# Altium PCB GameBoard_V1I1.PcbDoc (part 20 of 22) (continued)
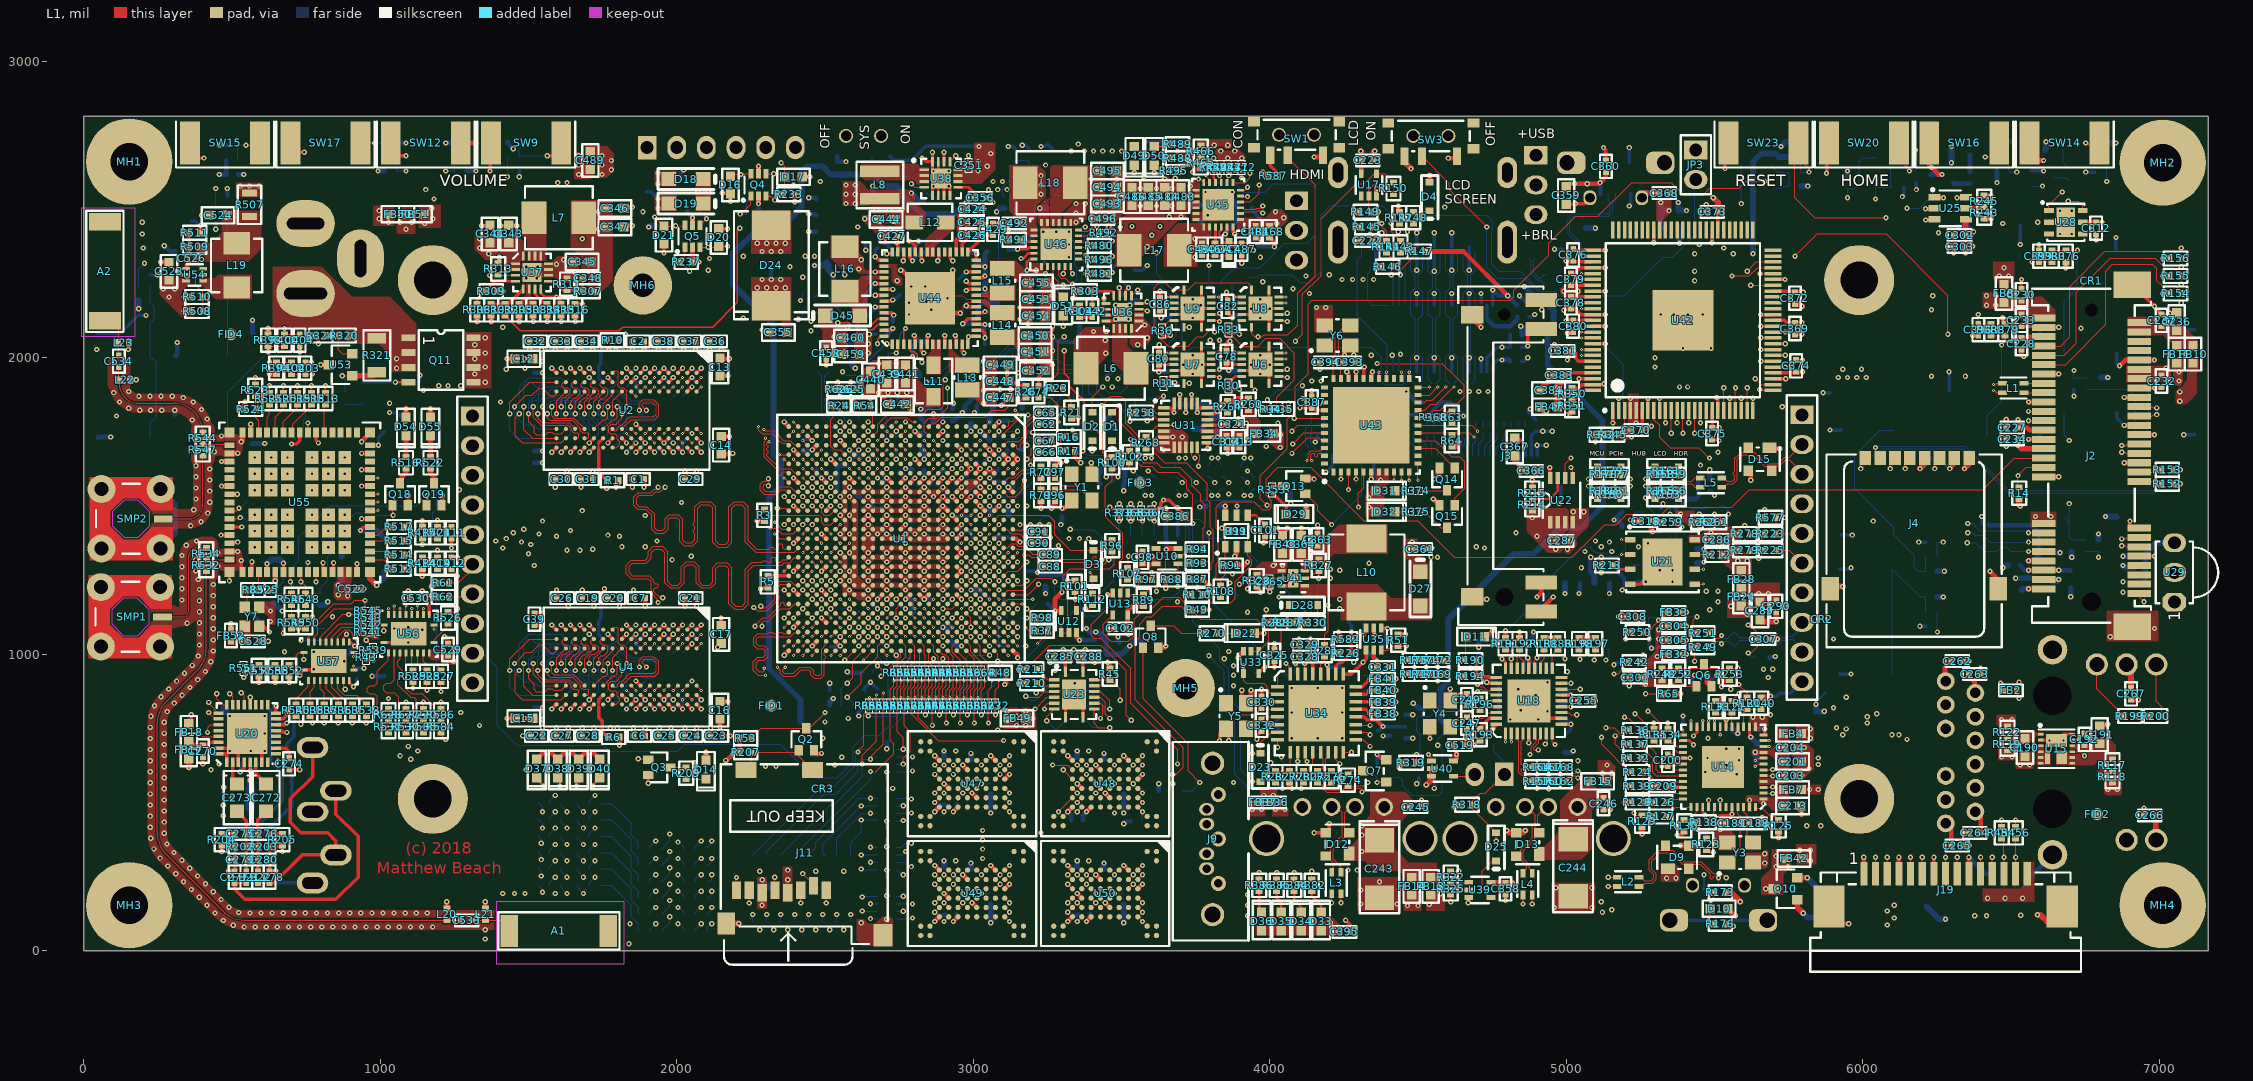
[diagram p0: L1 view]
## Nets (pads, with @x,y where several pads share a name; then routed paths per layer and width w, separated by ;. In a path a pad name is that pad's centre, name@x,y a point inside that pad or via, vN(x,y) a via of type N, cw(c..) or ccw(c..) an arc to the next point about the centre after c; other vN are vias at no path point) (continued)
  L12 w3.15: v1(5948.82,2539.37) R418.1@5948.82,2566.93 5952,2570.11 5971.69,2570.11 5988.19,2586.61 5988.19,2661.42 6000.76,2673.98 D43.2@6043.31,2673.98
USER_BTN_1_R: R416.1 R417.1 R420.2 SW20.2 | length 191.4
  L1 w3.15: SW20.2@6114.17,2681.1 6157.48,2637.8 v1(6157.48,2629.92)
  L12 w3.15: R420.2@6094.49,2677.17 R416.1@6137.8,2677.17 6137.8,2649.61 v1(6157.48,2629.92) R417.1@6181.1,2629.92
USER_BTN_2: C400.1 R397.1 U1.F13 | length 5089.5
  L1 w3.15: v3(2960.63,1374.02) U1.F13@2976.38,1389.76
  L3 w3.15: v1(1429.13,2610.24) 1455.71,2583.66 1507.87,2583.66 1532.48,2559.06 1795.28,2559.06 1812.24,2576.02 1896.89,2576.02 1923.95,2603.09 1952.5,2603.09 1959.65,2610.24 2190.89,2610.24 2214.51,2586.61 2358.27,2586.61 2376.97,2567.91 2401.17,2567.91 2415.93,2582.68 2472.44,2582.68 v1(2484.25,2594.49) ; v4(2972.44,1385.83) 2972.44,1372.82 2986.99,1358.27 3091.75,1358.27 3101.38,1348.64 3101.38,1348.31 3115.04,1334.65 3279.53,1334.65 3290.35,1323.82 3323.82,1323.82 v1(3389.76,1389.76)
  L10 w3.15: v1(2484.25,2594.49) 2484.25,2443.69 2362.2,2321.64 2362.2,2287.4 2437.01,2212.6 2437.01,2181.1 2425.2,2169.29 2425.2,2097.23 2447.62,2074.8 2511.81,2074.8 2523.62,2086.61 2551.18,2086.61 2566.93,2070.87 2590.55,2070.87 2628.39,2108.7 2693.71,2108.7 2742.37,2060.04 2861.22,2060.04 2889.76,2031.5 2986.22,2031.5 3011.35,2006.37 3044.81,2006.37 3065.71,1985.47 3157.25,1985.47 3182.09,1960.63 3307.5,1960.63 3335.06,1988.19 3578.74,1988.19 3606.3,1960.63 3606.3,1945.66 3690.74,1861.22 3742.34,1861.22 3755.13,1874.02 3842.52,1874.02 3874.02,1842.52 3955.5,1842.52 3987.59,1874.61 3999.4,1874.61 4007.87,1866.14 4007.87,1822.83 3984.25,1799.21 3984.25,1725.6 4003.94,1705.92 4003.94,1562.32 3921.94,1480.31 3782.48,1480.31 3758.86,1456.69 3732.28,1456.69 3707.71,1432.12 3432.12,1432.12 v1(3389.76,1389.76)
  L2 w3.15: v3(2960.63,1374.02) v4(2972.44,1385.83)
  L12 w3.15: v1(1429.13,2610.24) C400.1@1429.13,2629.92 R397.1@1429.13,2677.17
USER_BTN_2_R: R396.1 R397.2 SW9.2 | length 194.5
  L1 w11.81: v1(1562.99,2681.1) SW9.2@1610.24,2681.1
  L12 w3.15: R396.1@1468.5,2728.35 R397.2@1468.5,2677.17 1472.44,2681.1 v1(1562.99,2681.1)
USER_BTN_3: C401.1 R401.1 U1.N21 | length 4032.8
  L1 w3.15: U1.N21@2755.91,1137.8 v2(2771.65,1122.05)
  L3 w3.15: v1(1271.65,803.15) 1240.16,834.65 1240.16,921.26 1232.28,929.13 1232.28,992.13 1245.08,1004.92 1245.08,1178.15 1255.91,1188.98 1255.91,1229.47 1275.59,1249.15 1275.59,1270.53 1225.39,1320.73 1225.39,1386.19 1231.3,1392.1 1231.3,1573.88 1220.47,1584.7 1220.47,1858.83 1267.16,1905.51 v1(1271.65,1905.51)
  L10 w3.15: v1(1220.47,2629.92) 1220.61,2629.78 1220.61,2539.23 1382.87,2376.97 1382.87,2170.28 1347.81,2135.21 1347.81,2104.23 1271.65,2028.08 v1(1271.65,1905.51) ; v1(1271.65,803.15) 1295.28,779.53 1338.58,779.53 1354.33,763.78 1354.33,743.1 1471.44,625.98 1546.72,625.98 1553.62,632.87 1572.37,632.87 1579.26,625.98 1617.59,625.98 1624.48,632.87 1643.24,632.87 1650.13,625.98 1688.46,625.98 1695.35,632.87 1714.1,632.87 1724.93,622.05 2023.62,622.05 2051.18,649.61 2066.93,649.61 2102.36,614.17 2270.3,614.17 2309.26,653.13 2369.15,653.13 2478.35,762.33 2478.35,771.65 2494.09,787.4 2505.13,787.4 2560.04,842.31 2560.04,860.45 2568.69,869.09 2581.69,869.09 2645.26,932.66 2645.26,968.09 2685.04,1007.87 2712.6,1007.87 2748.03,1043.31 2748.03,1087.81 2771.65,1111.43 v2(2771.65,1122.05)
  L12 w3.15: v1(1220.47,2629.92) C401.1@1251.97,2629.92 R401.1@1251.97,2673.23
USER_BTN_3_R: R399.1 R401.2 SW12.2 | length 177.2
  L1 w15.75: SW12.2@1271.65,2681.1 SW12.2@1271.65,2724.41 v1(1322.83,2724.41)
  L12 w15.75: R401.2@1291.34,2673.23 R399.1@1291.34,2724.41 v1(1322.83,2724.41)
USER_LED: Q17.1 U1.D19 | length 4661.4
  L1 w3.15: U1.D19@3039.37,1200.79 v3(3055.12,1185.04)
  L3 w3.15: v4(3066.93,1196.85) 3070.87,1200.79 3104.33,1200.79 3124.02,1220.47 3225.6,1220.47 3229.54,1224.41 3537.4,1224.41 3563.98,1197.83 3645.88,1197.83 3666.36,1218.32 3666.36,1236.88 3681.45,1251.97 3796.47,1251.97 3867.34,1181.1 3938.53,1181.1 3954.28,1165.35 4000,1165.35 4011.81,1153.54 4042.63,1153.54 4053.46,1164.37 4176.96,1164.37 4190.74,1150.59 4202.97,1150.59 4221.67,1169.29 4270.13,1169.29 4281.94,1181.1 4637.8,1181.1 4673.23,1145.67 5095.16,1145.67 5126.38,1176.89 5511.54,1176.89 v1(5511.81,1177.17)
  L10 w3.15: v1(5511.81,1177.17) 5625.98,1177.17 5651.57,1151.57 5923.23,1151.57 6007.87,1236.22 6007.87,1515.75 6175.61,1683.49 6175.61,1970.89 6200.79,1996.06 6200.79,2421.26 6149.61,2472.44 v1(6149.61,2503.94)
  L2 w3.15: v3(3055.12,1185.04) v4(3066.93,1196.85)
  L12 w3.15: v1(6149.61,2503.94) 6192.91,2503.94 6196.85,2507.87 6196.85,2508.08 6205.5,2516.73 6205.71,2516.73 6230.31,2541.34 Q17.1@6230.31,2564.96
USER_LED_1: R382.2 U1.N19 U34.30 | length 2791.2
  L1 w3.15: v2(2740.16,1185.04) U1.N19@2755.91,1200.79 ; v1(4118.11,968.5) 4118.11,935.04 U34.30@4120.08,933.07 ; R382.2@4141.73,240.16 v1(4141.73,267.72)
  L3 w3.15: v2(2740.16,1185.04) 2740.16,1192.91 2755.91,1208.66 2755.91,1224.41 2763.78,1232.28 2791.34,1232.28 2822.83,1263.78 2909.45,1263.78 2940.94,1295.28 2976.38,1295.28 3316.77,1295.28 3347.99,1264.06 3554.84,1264.06 3574.8,1244.09 3613.9,1244.09 3641.46,1271.65 3802.63,1271.65 3877.43,1196.85 3945.05,1196.85 3960.8,1181.1 4007.87,1181.1 4015.75,1173.23 4039.65,1173.23 4047.24,1180.83 4232.01,1180.83 v1(4236.22,1185.04)
  L10 w3.15: v1@4141.73,263.78 v1(4141.73,267.72) 4141.73,326.77 4110.24,358.27 4110.24,396.44 4035.43,471.25 4035.43,527.56 4023.62,539.37 4023.62,578.74 4059.06,614.17 4059.06,645.67 4118.11,704.72 v1(4118.11,968.5) 4118.11,983.27 4251.97,1117.13 4251.97,1168.9 4236.22,1184.65 v1(4236.22,1185.04)
USER_LED_2: R285.2 R384.2 U1.N20 | length 2948.7
  L1 w3.15: v2(2740.16,1122.05) 2740.16,1153.54 U1.N20@2755.91,1169.29 ; R384.2@4082.68,240.16 v1(4082.68,263.78)
  L3 w3.15: v2(2740.16,1122.05) 2755.91,1137.8 2755.91,1161.42 2762.8,1168.31 2775.8,1168.31 2808.28,1200.79 3031.5,1200.79 3055.12,1177.17 3082.68,1177.17 3090.55,1185.04 3129.92,1185.04 3147.76,1202.87 3213.93,1202.87 3235.7,1181.1 3299.21,1181.1 3311.02,1169.29 3361.69,1169.29 3368.58,1176.18 3387.33,1176.18 3394.22,1169.29 3659.45,1169.29 3682.09,1191.93 3695.09,1191.93 3701,1186.02 3718.71,1186.02 3733.48,1200.79 3818.22,1200.79 3853.66,1165.35 3925.2,1165.35 3955.71,1134.84 4036.42,1134.84 4058.07,1156.5 4173.69,1156.5 4187.47,1142.72 4225.39,1142.72 v1(4236.22,1153.54)
  L10 w3.15: v1(4039.37,653.54) 4023.62,637.8 4023.62,614.17 3996.06,586.61 3996.06,476.38 4011.81,460.63 4027.56,460.63 4082.68,405.51 v1(4082.68,263.78) ; v1@4041.34,651.57 4102.36,712.6 4102.36,988.19 4236.22,1122.05 v1(4236.22,1153.54)
  L12 w3.15: v1(4039.37,653.54) 4039.37,641.73 4086.61,594.49 R285.2@4196.85,594.49
USER_LED_3: R286.2 R385.2 U1.T23 | length 2775.4
  L1 w3.15: U1.T23@2661.42,1074.8 v2(2677.16,1059.06) ; R385.2@4023.62,240.16 v1(4023.62,263.78)
  L3 w3.15: v2(2677.16,1059.06) 2662.54,1073.68 2662.54,1084.3 2662.4,1084.44 2662.4,1096.67 2662.54,1096.8 2662.54,1099.55 2669.29,1106.3 2684.65,1106.3 2724.41,1146.06 2724.41,1196.85 2748.03,1220.47 2748.03,1245.29 2766.52,1263.78 2791.34,1263.78 2822.83,1295.28 2905.51,1295.28 2937.01,1326.77 3263.78,1326.77 3283.46,1307.09 3326.45,1307.09 3354.28,1279.25 3563.27,1279.25 3586.61,1255.91 3610.24,1255.91 3633.86,1279.53 3805.89,1279.53 3880.7,1204.72 3951.56,1204.72 3963.37,1192.91 v1(4031.5,1192.91) v1@4030.37,1194.04
  L10 w3.15: v1(4023.62,263.78) 3987.09,263.78 3967.41,283.46 3956.02,283.46 3905.51,333.97 3905.51,500 3925.2,519.69 3925.2,610.24 v1(3940.94,625.98) 3992.13,677.17 3992.13,704.72 4047.24,759.84 4047.24,893.7 4031.5,909.45 v1(4031.5,1192.91)
  L12 w3.15: v1(3940.94,625.98) R286.2@3968.5,625.98
USER_LED_4: R288.2 R386.2 U1.R23 | length 2643.5
  L1 w3.15: U1.R23@2692.91,1074.8 v2(2708.66,1059.06) ; R386.2@3964.57,240.16 v1(3964.57,263.78) ; v1(3988.19,1149.61) 3988.19,1118.11 R288.2@4000,1106.3
  L3 w3.15: v2(2708.66,1059.06) 2692.91,1074.8 2692.91,1101.38 2744.09,1152.56 2744.09,1168.1 2755.91,1179.91 2755.91,1190.17 2766.52,1200.79 2791.34,1200.79 2821.85,1231.3 3013.7,1231.3 3059.96,1185.04 3076.77,1185.04 3084.65,1192.91 3117.13,1192.91 3134.96,1210.75 3217.19,1210.75 3237.98,1189.96 3315.94,1189.96 3342.52,1216.54 3509.39,1216.54 3538.92,1187.01 3648.51,1187.01 3675.08,1213.58 3675.08,1234.46 3684.72,1244.09 3761.01,1244.09 3795.05,1210.06 3820.09,1210.06 3856.92,1173.23 3930.12,1173.23 3953.74,1149.61 v1(3988.19,1149.61)
  L10 w3.15: v1(3964.57,263.78) 3948.82,263.78 3885.83,326.77 3885.83,507.87 3897.64,519.68 3897.64,692.91 4023.62,818.9 4023.62,881.02 4022.89,881.75 4022.5,881.75 4000,904.25 4000,1137.8 v1(3988.19,1149.61)
USER_LED_5: R387.2 U1.R20 | length 4483.8
  L1 w3.15: U1.R20@2692.91,1169.29 v2(2708.66,1153.54)
  L3 w3.15: v1(1102.36,645.67) 1153.54,645.67 1169.29,661.42 1307.09,661.42 1358.27,610.24 v1(1492.13,610.24)
  L10 w3.15: v1(1102.36,645.67) 1090.55,633.86 968.5,633.86 925.2,677.17 925.2,909.97 964.05,948.82 989.38,948.82 1062.01,1021.44 1062.01,1740.37 1197.62,1875.98 1370.14,1875.98 1415.41,1921.26 1547.24,1921.26 1562.99,1937.01 1562.99,2027.56 1594.49,2059.06 1618.11,2059.06 1704.72,2145.67 2153.54,2145.67 2180.12,2172.24 2240.31,2172.24 2272.64,2139.92 2272.64,2062.01 2480.32,1854.33 2480.32,1760.52 2495.08,1745.75 2495.08,1690.79 2513.63,1672.25 2525.8,1672.25 2534.45,1663.6 2534.45,1648.68 2566,1617.13 2592.05,1617.13 2631.42,1577.76 2666.34,1577.76 2692.91,1551.19 2692.91,1169.29 v2(2708.66,1153.54)
  L12 w7.87: v1(1492.13,610.24) 1511.81,629.92 R387.2@1527.56,629.92
USER_LED_6: R389.2 U1.R21 | length 4346.4
  L1 w3.15: v2(2677.17,1122.05) U1.R21@2692.91,1137.8
  L3 w3.15: v1(1125.98,673.23) 1334.65,673.23 1374.02,633.86 1500,633.86 1523.62,610.24 v1(1562.99,610.24)
  L10 w3.15: v1(1125.98,673.23) 1011.54,673.23 968.5,716.26 968.5,898.62 1078.74,1008.86 1078.74,1540.56 1119.09,1580.92 1119.09,1730.31 1249.02,1860.24 1376.66,1860.24 1421.94,1905.51 1594.49,1905.51 1625.98,1937.01 1625.98,1976.38 1657.48,2007.87 1657.48,2043.31 1736.22,2122.05 2169.29,2122.05 2203.74,2156.5 2233.79,2156.5 2250.98,2139.3 2250.98,2052.17 2464.57,1838.58 2464.57,1751.97 2479.33,1737.2 2479.33,1665.82 2527.04,1618.11 2538.18,1618.11 2578.53,1577.76 2588.79,1577.76 2629.92,1536.63 2629.92,1179.91 2677.17,1132.66 v2(2677.17,1122.05)
  L12 w7.87: v1(1562.99,610.24) 1582.68,629.92 R389.2@1598.43,629.92
USER_LED_7: R390.2 U1.U22 | length 4412.9
  L1 w3.15: U1.U22@2629.92,1106.3 v2(2645.67,1090.55)
  L3 w3.15: v1(1094.49,688.98) 1350.39,688.98 1385.83,653.54 1500,653.54 1523.62,629.92 1614.17,629.92 v1(1633.86,610.24)
  L10 w3.15: v1(1094.49,688.98) 1023.62,688.98 984.25,728.35 984.25,899.61 1109.25,1024.61 1109.25,1522.64 1139.76,1553.15 1139.76,1730.31 1261.81,1852.36 1379.92,1852.36 1425.2,1897.64 1622.05,1897.64 1657.48,1933.07 1657.48,1976.38 1692.91,2011.81 1692.91,2042.72 1760.43,2110.24 2175.14,2110.24 2213.52,2148.62 2230.52,2148.62 2240.16,2138.99 2240.16,2047.24 2456.69,1830.71 2456.69,1748.03 2471.46,1733.27 2471.46,1662.56 2524.76,1609.25 2532.48,1609.25 2551.18,1590.55 2551.18,1566.93 2570.87,1547.24 2596.16,1547.24 2604.03,1539.37 2604.03,1392.03 2618.11,1377.95 2618.11,1275.59 2602.36,1259.84 2602.36,1186.24 2660.43,1128.16 2660.43,1105.32 v2(2645.67,1090.55)
  L12 w7.87: v1(1633.86,610.24) 1653.54,629.92 R390.2@1669.29,629.92
USER_LED_8: R391.2 U1.T20 | length 4646.4
  L1 w3.15: U1.T20@2661.42,1169.29 v2(2677.16,1153.54)
  L3 w3.15: v1(1066.93,657.48) 1066.93,688.98 1105.32,727.36 1355.32,727.36 1413.39,669.29 1506.01,669.29 1529.63,645.67 1669.29,645.67 v1(1704.72,610.24)
  L10 w3.15: v1(1066.93,657.48) 992.13,657.48 937.99,711.61 937.99,911.63 967.31,940.94 992.64,940.94 1070.87,1019.17 1070.87,1566.93 1098.43,1594.49 1098.43,1731.3 1235.24,1868.11 1373.4,1868.11 1418.67,1913.39 1578.74,1913.39 1594.49,1929.13 1594.49,1987.2 1615.16,2007.87 1615.16,2033.67 1715.34,2133.86 2161.42,2133.86 2191.93,2164.37 2237.05,2164.37 2261.81,2139.61 2261.81,2057.09 2472.44,1846.46 2472.44,1755.91 2487.21,1741.14 2487.21,1669.08 2530.3,1625.98 2546.01,1625.98 2562.74,1609.25 2588.79,1609.25 2597.44,1600.6 2597.44,1587.6 2636.81,1548.23 2653.5,1548.23 2661.42,1540.31 2661.42,1169.29 v2(2677.16,1153.54)
  L12 w7.87: v1(1704.72,610.24) 1724.41,629.92 R391.2@1740.16,629.92
USER_LED_CPU_D: D42.1 R413.1 | length 59.1
  L12 w15.75: R413.1@6362.2,2625.98 6362.2,2673.23 D42.1@6362.2,2685.04
USER_LED_CPU_Q: Q17.3 R413.2 | length 58.7
  L12 w15.75: Q17.3@6305.12,2590.55 6309.06,2586.61 R413.2@6362.2,2586.61
USER_LED_D_1: D33.1 R382.1 | length 87.8
  L1 w7.87: R382.1@4141.73,200.79 4141.73,184.17 4173.23,152.68 D33.1@4173.23,125.98
USER_LED_D_2: D34.1 R384.1 | length 84.6
  L1 w7.87: R384.1@4082.68,200.79 4082.68,170.24 4106.3,146.61 D34.1@4106.3,125.98
USER_LED_D_3: D35.1 R385.1 | length 81.3
  L1 w7.87: R385.1@4023.62,200.79 4023.62,177.17 4039.37,161.42 D35.1@4039.37,125.98
USER_LED_D_4: D36.1 R386.1 | length 78.1
  L1 w7.87: R386.1@3964.57,200.79 3964.57,133.86 D36.1@3972.44,125.98
USER_LED_D_5: D37.1 R387.1 | length 82.6
  L1 w7.87: D37.1@1527.56,582.68 1527.56,578.74 v1(1551.18,555.12)
  L12 w7.87: R387.1@1527.56,590.55 1527.56,578.74 v1(1551.18,555.12)
USER_LED_D_6: D38.1 R389.1 | length 69.5
  L1 w7.87: D38.1@1598.43,582.68 1606.3,574.8 v1(1606.3,555.12)
  L12 w7.87: R389.1@1598.43,590.55 1598.43,562.99 v1(1606.3,555.12)
USER_LED_D_7: D39.1 R390.1 | length 69.5
  L1 w7.87: v1(1661.42,555.12) 1661.42,574.8 D39.1@1669.29,582.68
  L12 w7.87: v1(1661.42,555.12) 1669.29,562.99 R390.1@1669.29,590.55
USER_LED_D_8: D40.1 R391.1 | length 82.6
  L1 w7.87: v1(1716.54,555.12) 1716.54,559.06 D40.1@1740.16,582.68
  L12 w7.87: v1(1716.54,555.12) 1740.16,578.74 R391.1@1740.16,590.55
USER_LED_MCU: Q8.1 R273.1 U34.3 | length 1042.3
  L1 w3.15: Q8.1@3572.83,1021.65 3572.83,849.25 3724.41,697.68 3724.41,606.3 v1(3763.78,566.93) ; v1(3996.06,838.58) 4025.59,838.58 U34.3@4026.57,839.57
  L10 w3.15: v1(3763.78,566.93) 3830.71,566.93 3877.81,614.04 3877.81,720.33 v1(3996.06,838.58)
  L12 w3.15: R273.1@3704.72,539.37 3736.22,539.37 v1(3763.78,566.93)
USER_LED_MCU_D: D22.1 R270.1 | length 63
  L1 w3.15: R270.1@3822.83,1070.87 D22.1@3885.83,1070.87
VBUS2: R468.1 R469.1 R493.2 U46.1 | length 221.3
  L1 w15.75: R468.1@4000,2405.51 4015.75,2389.76 v1(4015.75,2374.02)
  L12 w11.81: R469.1@3929.13,2460.63 3937.01,2452.76 3937.01,2398.75 3961.74,2374.02 v1(4015.75,2374.02)
  L12 w15.75: R493.2@3208.66,2267.72 3208.66,2291.34 v1(3212.6,2295.28)
VPP/MCLR: R368.1 TP56.1 U1.F17 U43.18 | length 2668.3
  L1 w3.15: U1.F17@2976.38,1263.78 v2(2992.13,1248.03) ; v1(4362.2,1980.31) 4582.68,1980.31 4656.5,1906.5 4656.5,1869.09 4633.86,1846.46 4598.43,1846.46 4574.8,1822.83 4551.18,1822.83 4540.75,1812.4 R368.1@4540.75,1799.21 4501.97,1799.21 U43.18@4500,1797.24
  L10 w3.15: v2(2992.13,1248.03) 2992.13,1258.65 2976.38,1274.4 2976.38,1287.4 2984.25,1295.28 3000,1295.28 3007.87,1303.15 3007.87,1413.39 3015.75,1421.26 3102.64,1421.26 3133.15,1451.77 3247.05,1451.77 3272.64,1477.36 3351.38,1477.36 3444.88,1570.87 3468.5,1594.49 3468.5,1599.62 3482.07,1613.19 3494.3,1613.19 3543.52,1563.98 3710.84,1563.98 3719.49,1572.62 3719.49,1583.06 3741.74,1605.31 3776.57,1605.31 3785.43,1614.17 3826.61,1614.17 3847.44,1593.35 3847.44,1572.62 3860.03,1560.04 3872.05,1560.04 3880.91,1551.18 3952.76,1551.18 3976.38,1574.8 3976.38,1688.98 3964.57,1700.79 3964.57,1803.15 3976.38,1814.96 3976.38,1842.52 v1(3992.13,1858.27) ; v1(4110.24,1905.51) 4147.64,1905.51 4158.46,1916.34 4158.46,1927.38 4167.11,1936.02 4350.6,1936.02 4362.2,1947.62 v1(4362.2,1980.31)
  L12 w3.15: v1(3992.13,1858.27) 4026.57,1892.72 TP56.1@4062.99,1892.72 4097.44,1892.72 v1(4110.24,1905.51)
WD_OUT: R94.1 U1.T2 | length 1857.8
  L1 w3.15: U1.T2@2661.42,1736.22 2677.17,1751.97 2677.17,1775.59 2712.6,1811.02 2778.33,1811.02 2785.22,1804.13 2823.82,1804.13 2846.46,1826.77 2889.76,1826.77 2898.62,1835.63 2898.62,1918.31 v1(2905.51,1925.2) ; v1(3433.07,1838.58) 3464.57,1870.08 3497.93,1870.08 3513.78,1854.23 3513.78,1779.11 3559.06,1733.83 3559.06,1661.21 3574.59,1645.67 3618.11,1645.67 3633.86,1629.92 3696.85,1629.92 3737.2,1589.57 3737.2,1569.88 3767.72,1539.37 3767.72,1516.94 3782.48,1502.18 3782.48,1432.09 3775.59,1425.2 R94.1@3775.59,1354.33
  L12 w3.15: v1(2905.51,1925.2) 2905.51,1939.45 2922.75,1956.69 3051.18,1956.69 3127.08,2032.59 3189.64,2032.59 3261.6,1960.63 3362.2,1960.63 3389.76,1933.07 3389.76,1881.89 v1(3433.07,1838.58)
WIFI_CLK: R538.1 R572.2 R573.2 | length 1414.1
  L1 w3.15: R538.1@763.78,791.34 771.65,783.46 v1(771.65,767.72)
  L3 w3.15: v1(771.65,767.72) 803.15,799.21 897.64,799.21 986.22,710.63 986.22,396.34 1063.67,318.9 1297.24,318.9 1343.01,364.67 1359.74,364.67 1373.03,377.95 1373.03,394.69 1404.53,426.18 1419.29,426.18 1431.1,437.99 1431.1,452.76 1441.93,463.58 1456.69,463.58 1467.52,474.41 1467.52,489.17 1482.28,503.94 1499.02,503.94 1511.81,491.14 1528.54,491.14 1541.34,503.94 1567.91,503.94 1590.55,481.3 v1(1590.55,468.5)
  L12 w3.15: R572.2@1570.87,440.94 1570.87,448.82 v1(1590.55,468.5)
WIFI_CMD: R540.1 R570.2 R571.2 | length 1416.5
  L1 w3.15: R540.1@716.54,791.34 732.28,775.59 v1(732.28,763.78)
  L3 w3.15: v1(732.28,763.78) 743.11,752.95 780.51,752.95 791.34,763.78 791.34,771.65 803.15,783.46 818.9,783.46 960.63,641.73 960.63,350.39 1062.99,248.03 1374.02,248.03 1460.63,334.65 1492.13,334.65 1498.03,328.74 1498.03,320.96 1503.94,315.05 1515.75,315.05 1521.65,320.96 1521.65,328.74 1527.56,334.65 1533.46,334.65 1559.05,334.65 v1(1590.55,303.15)
  L12 w3.15: R570.2@1570.87,275.59 1570.87,283.46 v1(1590.55,303.15)
WIFI_DATA0: R537.1 R562.2 R563.2 | length 1411.4
  L1 w3.15: v1(811.02,767.72) R537.1@811.02,791.34
  L3 w3.15: v1(811.02,767.72) 940.94,637.8 940.94,330.71 1047.24,224.41 1208.66,224.41 1289.37,224.41 1295.28,218.5 1295.28,199.83 1301.18,193.93 1312.99,193.93 1318.9,199.83 1318.9,224.41 1318.9,231.94 1324.8,237.84 1336.61,237.84 1342.52,231.94 1342.52,224.41 1342.52,199.83 1348.43,193.93 1360.24,193.93 1366.14,199.83 1366.14,218.5 1372.05,224.41 1377.95,224.41 1393.7,224.41 1461.61,292.32 1546.26,292.32 v1(1590.55,248.03)
  L12 w3.15: R562.2@1570.87,220.47 1570.87,228.35 v1(1590.55,248.03)
WIFI_DATA1: R536.1 R564.2 R565.2 | length 1408.7
  L1 w3.15: v1(858.27,767.72) R536.1@858.27,791.34
  L3 w3.15: v1(858.27,767.72) 970.47,655.51 970.47,356.3 1066.93,259.84 1090.55,259.84 1096.46,259.84 1102.36,265.75 1102.36,285.43 1108.27,291.34 1120.08,291.34 1125.98,285.43 1125.98,259.84 1129.92,255.9 1145.67,255.9 1149.61,259.84 1149.61,285.43 1155.51,291.34 1167.32,291.34 1173.23,285.43 1173.23,259.84 1177.17,255.9 1192.91,255.9 1196.85,259.84 1196.85,285.43 1202.76,291.34 1214.57,291.34 1220.47,285.43 1220.47,265.75 1226.38,259.84 1346.46,259.84 1354.81,268.19 1362.2,275.59 1472.44,385.83 1562.99,385.83 v1(1590.55,358.27)
  L12 w3.15: R564.2@1570.87,330.71 1570.87,338.58 v1(1590.55,358.27)
WIFI_DATA2: R535.1 R566.2 R567.2 | length 1416.3
  L1 w3.15: v1(905.51,767.72) R535.1@905.51,791.34
  L3 w3.15: v1(905.51,767.72) 978.35,694.88 978.35,391.73 1070.87,299.21 1167.32,299.21 1261.81,299.21 1267.72,293.31 1267.72,288.79 1273.62,282.89 1285.43,282.89 1291.34,288.79 1291.34,293.31 1297.24,299.21 1303.15,299.21 1318.9,299.21 1331.42,311.74 1331.42,320.09 1325.67,325.85 1325.67,334.2 1334.02,342.55 1342.37,342.55 1352.3,332.62 1369.34,315.58 1377.69,315.58 1386.04,323.93 1386.04,332.29 1373.18,345.15 1373.18,353.5 1381.53,361.85 1389.89,361.85 1402.75,348.99 1411.1,348.99 1419.45,357.34 1419.45,365.69 1402.41,382.73 1392.48,392.66 1392.48,401.02 1400.83,409.37 1409.18,409.37 1419.12,399.43 1436.15,382.39 1444.51,382.39 1452.86,390.75 1452.86,399.1 1440,411.96 1440,420.31 1460.63,440.94 1543.31,440.94 1570.87,413.39 v1(1590.55,413.39)
  L12 w3.15: R566.2@1570.87,385.83 1570.87,393.7 v1(1590.55,413.39)
WIFI_DATA3: R533.1 R568.2 R569.2 | length 1416.5
  L1 w3.15: v1(952.76,767.72) R533.1@952.76,791.34
  L3 w3.15: v1(952.76,767.72) 994.09,726.38 994.09,399.61 1062.99,330.71 1263.78,330.71 1275.83,342.76 1275.83,351.11 1268.06,358.88 1268.06,367.23 1276.41,375.58 1284.77,375.58 1308.62,351.73 1316.97,351.73 1325.32,360.08 1325.32,368.43 1301.47,392.28 1301.47,400.64 1309.82,408.99 1318.17,408.99 1330.11,397.04 1342.06,385.1 1350.41,385.1 1358.76,393.45 1358.76,401.8 1346.82,413.75 1334.88,425.69 1334.88,434.04 1343.23,442.39 1351.58,442.39 1375.43,418.54 1384.09,418.54 1392.14,426.58 1392.14,435.24 1368.28,459.1 1368.28,467.45 1376.63,475.8 1384.99,475.8 1392.75,468.03 1401.1,468.03 1460.63,527.56 1586.61,527.56 v1(1590.55,523.62)
  L12 w3.15: R568.2@1570.87,496.06 1570.87,503.94 v1(1590.55,523.62)
WIFI_EXT_32K_CLK: R83.2 R525.2 U55.36 | length 60
  L1 w3.15: R525.2@590.55,1216.54 U55.36@590.55,1276.57
WIFI_IRQ: U1.W5 U57.18 | length 3002.5
  L1 w3.15: U57.18@875.98,911.42 875.98,887.8 v1(881.89,881.89) ; v3(2551.18,1657.48) U1.W5@2566.93,1641.73
  L3 w3.15: v1(1145.67,1889.76) 1176.18,1920.28 1288.39,1920.28 1306.1,1902.56 1360.45,1902.56 1400.59,1942.7 1400.59,1961.61 1417.32,1978.35 1447.62,1978.35 1482.07,2012.8 1801.39,2012.8 1835.84,2047.24 2326.77,2047.24 2528.54,1845.47 2528.54,1695.87 2543.31,1681.1 2543.31,1645.67 v4(2551.18,1637.8)
  L10 w3.15: v1(881.89,881.89) 881.89,921.26 929.13,968.5 940.94,968.5 1028.54,1056.1 1028.54,1741.14 1062.99,1775.59 1062.99,1858.27 1094.49,1889.76 v1(1145.67,1889.76)
  L2 w3.15: v4(2551.18,1637.8) v3(2551.18,1657.48)
WL_EN: Q19.1 R546.2 R553.1 R555.1 U55.40 | length 921.8
  L1 w3.15: R546.2@700.79,1204.72 700.79,1240.16 v1(696.85,1244.09) 696.85,1272.64 U55.40@700.79,1276.57 ; Q19.1@1156.89,1505.96 1157.48,1506.56 v1(1157.48,1535.43)
  L12 w3.15: v1(696.85,1244.09) 708.66,1232.28 708.66,1212.6 R553.1@700.79,1204.72 649.61,1204.72 R555.1@641.73,1212.6 673.23,1244.09 673.23,1263.78 724.41,1314.96 724.41,1393.7 830.71,1500 1122.05,1500 v1(1157.48,1535.43)
WL_EN_D: Q19.3 R522.2 | length 50.7
  L1 w15.75: R522.2@1169.29,1625.98 1169.29,1610.24 1182.48,1597.05 Q19.3@1182.48,1580.77
WL_EN_LED: D55.1 R522.1 | length 70.9
  L1 w15.75: R522.1@1169.29,1665.35 D55.1@1169.29,1736.22
WL_IRQ: R523.2 U57.3 | length 1107.3
  L1 w3.15: R523.2@578.74,1909.45 v1(578.74,1933.07) ; U57.3@875.98,1041.34 875.98,1057.09 v1(885.83,1066.93)
  L10 w3.15: v1(578.74,1933.07) 578.74,1704.72 614.17,1669.29 614.17,1342.52 669.29,1287.4 669.29,1219.28 688.98,1199.59 688.98,1160.22 782.27,1066.93 v1(885.83,1066.93)
WL_RX: TP58.1 U55.26 | length 73.1
  L1 w3.15: U55.26@491.14,1484.25 515.75,1484.25 v1(523.62,1492.13)
  L12 w3.15: v1(523.62,1492.13) 527.56,1492.13 TP58.1@551.18,1515.75
WL_SDIO_CLK: R543.1 U55.8 U57.8 | length 1241.5
  L1 w3.15: U55.8@755.91,1747.05 v1(755.91,1779.53) ; U57.8@777.56,1041.34 777.56,1057.09 789.37,1068.9 789.37,1097.65 845.26,1153.54 v1(921.26,1153.54) 921.26,1149.61 R543.1@948.82,1122.05
  L10 w3.15: v1(755.91,1779.53) 777.56,1779.53 783.46,1785.43 783.46,1810.97 789.37,1816.88 801.18,1816.88 807.09,1810.97 807.09,1761.81 812.99,1755.9 824.8,1755.9 830.71,1761.81 830.71,1810.97 836.61,1816.88 848.42,1816.88 854.33,1810.97 854.33,1785.43 860.24,1779.53 870.08,1779.53 913.39,1736.22 913.39,1377.95 944.88,1346.46 944.88,1267.72 921.26,1244.09 v1(921.26,1153.54)
WL_SDIO_CMD: R513.2 R545.1 U57.9 | length 1243.4
  L1 w3.15: U57.9@757.87,1041.34 757.87,1057.09 771.65,1070.87 771.65,1098.43 842.52,1169.29 901.57,1169.29 913.39,1181.1 v1(948.82,1181.1) R545.1@948.82,1145.67 ; R513.2@814.96,1881.89 v1(814.96,1905.51)
  L10 w3.15: v1(814.96,1905.51) 830.71,1905.51 872.05,1905.51 877.95,1899.61 877.95,1880.96 883.86,1875.05 895.67,1875.05 901.57,1880.96 901.57,1899.61 907.48,1905.51 913.39,1905.51 929.13,1905.51 968.5,1866.14 968.5,1211.92 953.69,1197.11 953.69,1185.97 v1(948.82,1181.1)
WL_SDIO_D0: R518.2 R542.1 U57.7 | length 1243.4
  L1 w3.15: R518.2@767.72,1881.89 v1(767.72,1905.51) ; U57.7@797.24,1041.34 797.24,1057.09 874.02,1133.86 v1(893.7,1133.86) 913.39,1133.86 R542.1@948.82,1098.43
  L10 w3.15: v1(767.72,1905.51) 767.72,1838.58 740.16,1811.02 740.16,1767.72 759.84,1748.03 830.71,1748.03 854.33,1724.41 854.33,1537.4 860.24,1531.5 884.42,1531.5 890.33,1525.59 890.33,1513.78 884.42,1507.87 831.45,1507.87 825.54,1501.97 825.54,1490.16 831.45,1484.25 848.43,1484.25 854.33,1478.35 854.33,1409.45 904.53,1359.25 904.53,1172.24 893.7,1161.42 v1(893.7,1133.86)
WL_SDIO_D1: R519.2 R541.1 U57.6 | length 1243.4
  L1 w3.15: R519.2@720.47,1881.89 v1(720.47,1905.51) ; U57.6@816.93,1041.34 816.93,1057.09 862.2,1102.36 v1(921.26,1102.36) R541.1@948.82,1074.8
  L10 w3.15: v1(720.47,1905.51) 720.47,1748.03 724.41,1744.09 784.45,1684.06 784.45,1661.42 784.45,1655.51 790.35,1649.61 815.18,1649.61 821.08,1643.7 821.08,1631.89 815.18,1625.98 790.35,1625.98 784.45,1620.08 784.45,1608.27 790.35,1602.36 809.12,1602.36 815.02,1596.46 815.02,1584.65 809.12,1578.74 790.35,1578.74 784.45,1572.83 784.45,1561.02 790.35,1555.12 803.95,1555.12 809.86,1549.21 809.86,1537.4 803.95,1531.5 790.35,1531.5 784.45,1525.59 784.45,1480.31 784.45,1428.15 874.02,1338.58 874.02,1129.25 889.09,1114.17 909.45,1114.17 v1(921.26,1102.36)
WL_SDIO_D2: R520.2 R539.1 U57.5 | length 1243.4
  L1 w3.15: R520.2@673.23,1881.89 v1(673.23,1905.51) ; U57.5@836.61,1041.34 836.61,1057.09 870.08,1090.55 910.64,1090.55 952.76,1048.44 v1(952.76,1047.24) R539.1@976.38,1023.62
  L10 w3.15: v1(673.23,1905.51) 673.23,1842.52 667.32,1836.61 656.68,1836.61 650.77,1830.71 650.77,1818.9 656.68,1812.99 667.32,1812.99 673.23,1807.09 673.23,1711.61 715.55,1669.29 715.55,1435.25 822.83,1327.97 822.83,1212.6 858.27,1177.17 858.27,1114.17 877.95,1094.49 906.71,1094.49 952.76,1048.44 v1(952.76,1047.24)
WL_SDIO_D3: R43.1 R521.2 U57.4 | length 1237.8
  L1 w3.15: R521.2@625.98,1881.89 v1(625.98,1905.51) ; U57.4@856.3,1041.34 856.3,1058.28 880.7,1082.68 893.7,1082.68 909.45,1066.93 909.45,1059.06 913.39,1062.99 v1(917.32,1062.99) 917.32,1044.5 952.76,1009.07 R43.1@952.76,1000
  L10 w3.15: v1(625.98,1905.51) 625.98,1778.54 631.89,1772.64 650.08,1772.64 655.98,1766.73 655.98,1754.92 650.08,1749.02 631.89,1749.02 625.98,1743.11 625.98,1700.79 649.61,1677.17 649.61,1429.13 741.14,1337.6 741.14,1258.86 803.15,1196.85 803.15,1137.8 859.25,1081.69 898.62,1081.69 v1(917.32,1062.99)
WL_TX: TP57.1 U55.27 | length 77.7
  L1 w3.15: U55.27@491.14,1456.69 523.62,1456.69 v1(527.56,1460.63)
  L12 w3.15: v1(527.56,1460.63) 539.37,1460.63 TP57.1@559.06,1440.94
WL_UART_DBG: TP60.1 U55.42 | length 66.9
  L1 w3.15: U55.42@755.91,1276.57 v1(755.91,1309.06)
  L12 w3.15: TP60.1@744.09,1279.53 755.91,1291.34 v1(755.91,1309.06)
XTAL_32K_CLK: R83.1 Y7.3 | length 62
  L1 w3.15: Y7.3@542.8,1157.99 551.18,1166.38 R83.1@551.18,1216.54